# Altium PCB pcb.PcbDoc
Units mil, origin at the board's own origin, x right, y up, seen from the top; angles counter-clockwise.
Board outline 2325 x 3865 mil, 2 copper layers (Top Layer, Bottom Layer); 60 components, 41 nets, 160 pads, 167 vias.
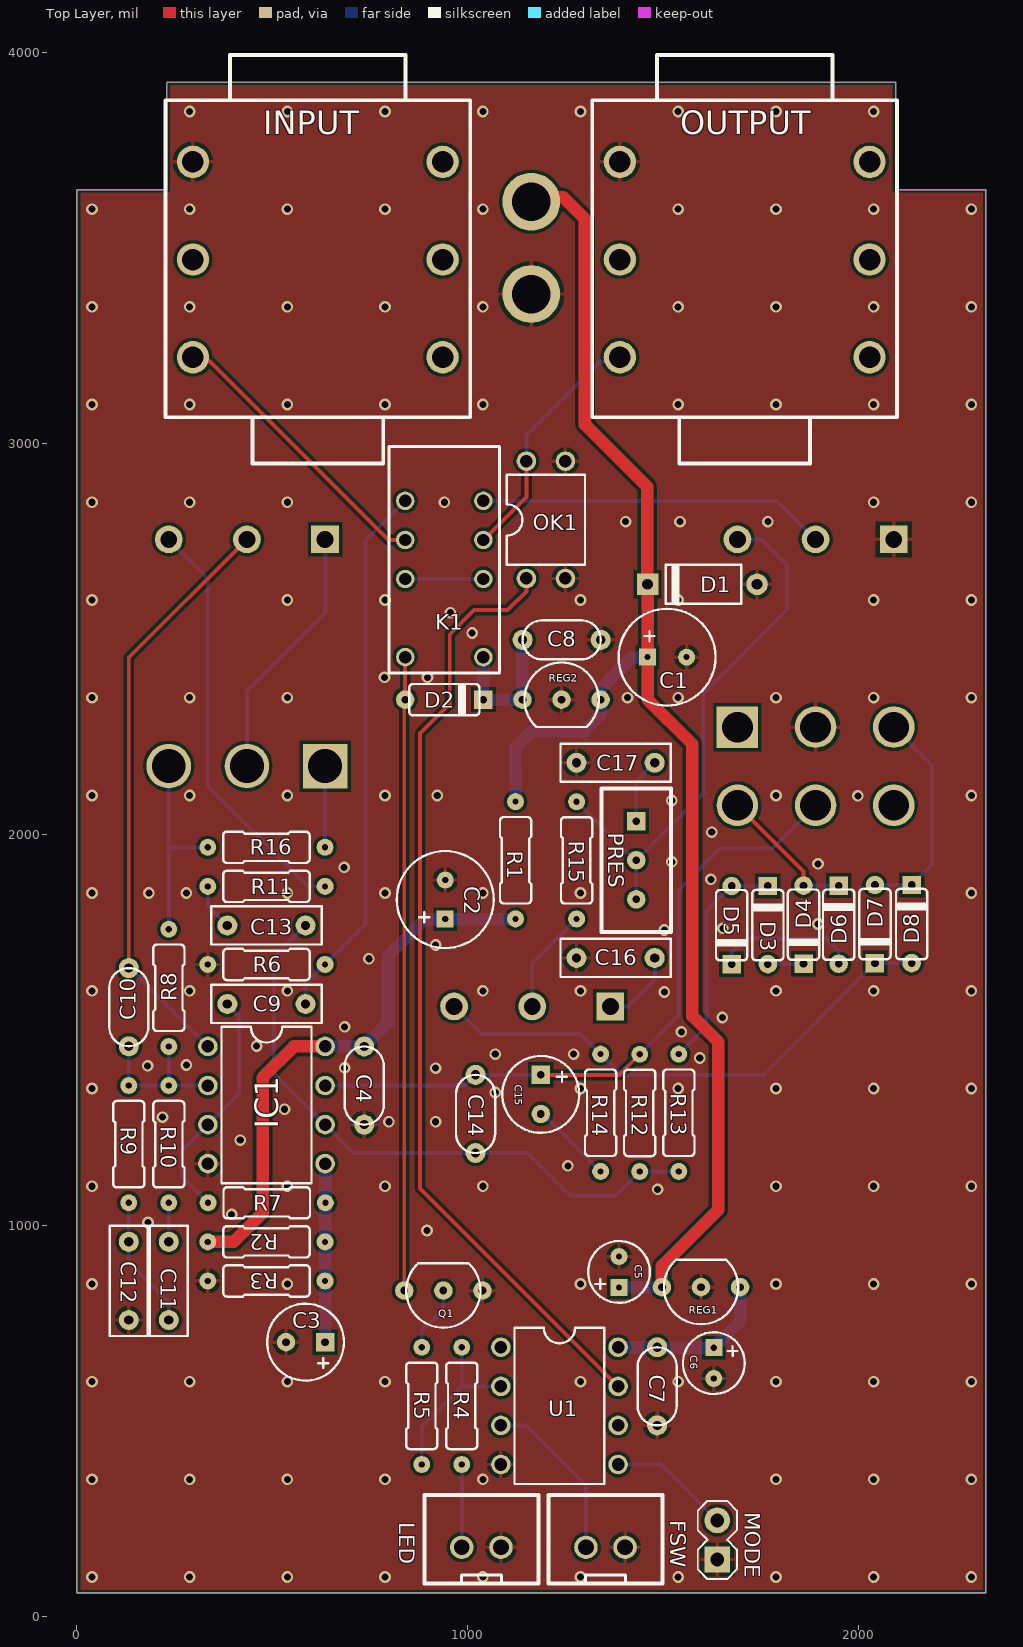
[diagram p0: Top Layer view]
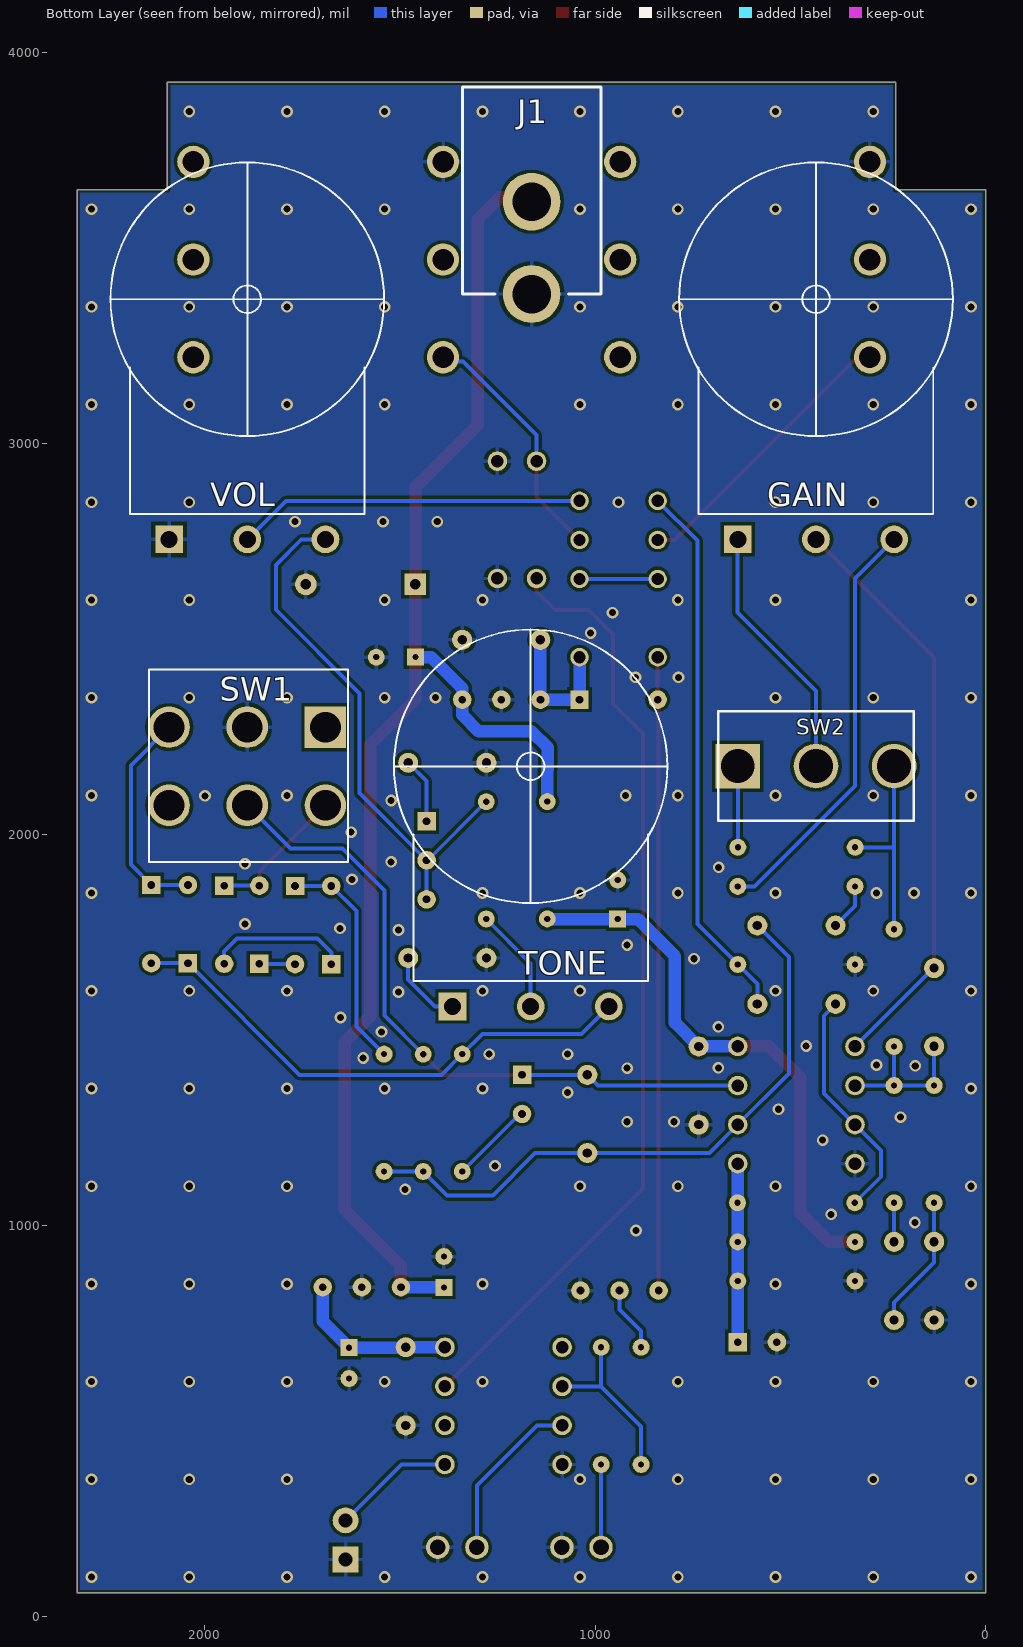
[diagram p1: Bottom Layer view, seen from below]
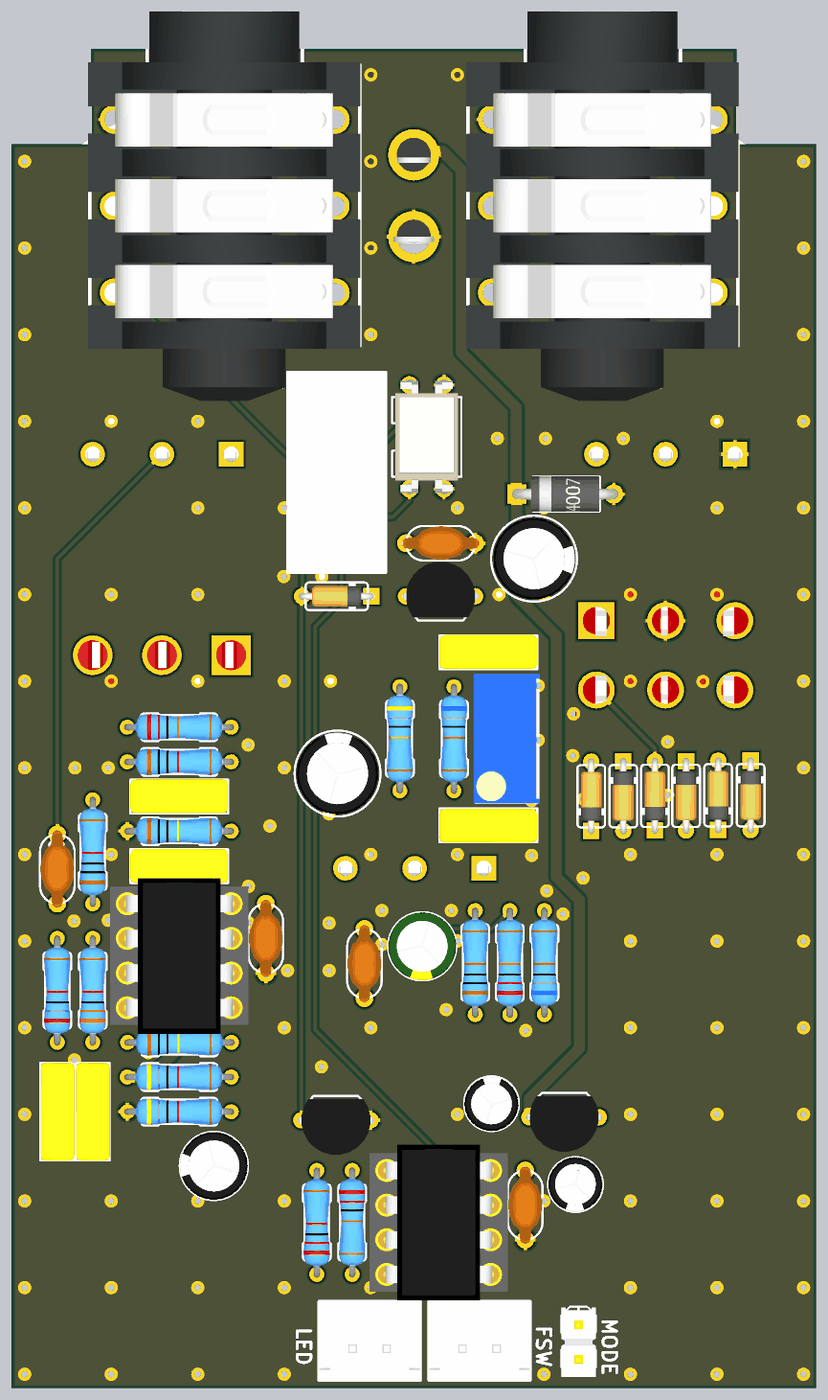
[diagram p2: 3D render of the assembled board from above, using the file's embedded part models]
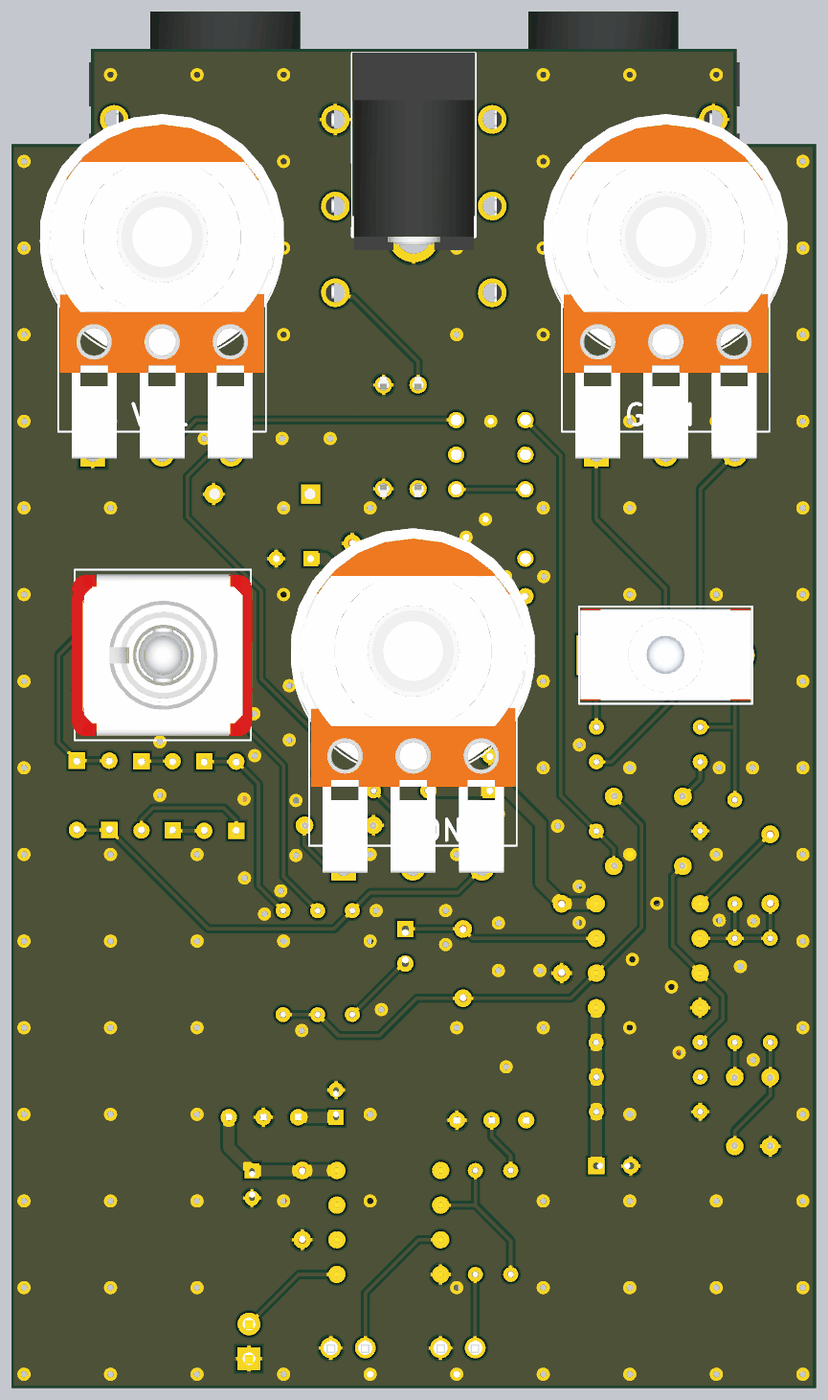
[diagram p3: 3D render of the assembled board from below, using the file's embedded part models]

## Layer stack, top to bottom
Top Solder: solder mask 0.4, Solder Resist, Dk 3.5
Top Layer: signal copper 1.4
Dielectric 1: dielectric 12.6, FR-4, Dk 4.8
Bottom Layer: signal copper 1.4
Bottom Solder: solder mask 0.4, Solder Resist, Dk 3.5

## Board outline
2094.65,3925 2094.65,3650 2325,3650 2325,60 0,60 0,3650 230.3,3650 230.3,3925

## Design rules (kind name [scope] priority, off if disabled: settings)
Clearance [All] p1: gap=8 ignorepadtopadclearanceinfootprint=FALSE except(0: Arc-Text Arc-Hole Track-Text Track-Hole SMDPad-Text SMDPad-Hole THPad-Text THPad-Hole Via-Text Via-Hole Fill-Text Fill-Hole Poly-Text Poly-Hole Region-Text Region-Hole Text-Text Text-Hole; 10: Arc-SMDPad Track-SMDPad SMDPad-SMDPad SMDPad-THPad SMDPad-Via THPad-THPad; 18: Arc-Arc Arc-Track Arc-THPad Track-Track Track-THPad)
ComponentClearance [All] p1 off: gap=10 collisioncheckmode=3 verticalgap=100000 showdistances=FALSE
Height [All] p1: minheight=0 maxheight=99999 prefheight=50000
PolygonConnect [All vs IsVia] p1: connectstyle=Direct reliefconductorwidth=12 reliefentries=4 polygonreliefangle="90 Angle" airgapwidth=8
PolygonConnect PolygonConnect_1 [All] p2: connectstyle=Relief reliefconductorwidth=10 reliefentries=4 polygonreliefangle="90 Angle" airgapwidth=10
RoutingVias [All] p1: holewidth=30 width=30 viastyle="Through Hole" minholewidth=10 minwidth=15 maxholewidth=20 maxwidth=40
SilkToSilkClearance [All] p1: silktosilkclearance=6
SolderMaskExpansion [All] p1: expansion=4
UnRoutedNet [All] p1: checkbadconnections=TRUE
Width [All] p1: maxlimit=32 minlimit=10 preferedwidth=10 minimp=50.000000 maximp=50.000000 favimp=50.000000
26 further rules are at their usual default settings.

## Components (designator, comment, footprint, x,y, rotation, side; value= is the part's Value field where it differs from the comment)
C1 "100u" ELEC_063_025 1510,2453.66 r0 top
C2 "100u" ELEC_063_025 942.38,1833.51 r90 top
C3 "47u" ELEC_050_020 585,701.1 r180 top
C4 "100n" CER_050 735.2,1357.69 r270 top
C5 "10u" ELEC_040_020 1387,880.11 r90 top
C6 "10u" ELEC_040_020 1629.62,648.06 r270 top
C7 "100n" CER_050 1484.62,588.06 r90 top
C8 "100n" CER_050 1240.32,2498 r0 top
C9 "10n" FILMBOX_SMALL 484.99,1566.3 r0 top
C10 "100p" CER_050 132.75,1558.13 r270 top
C11 "10n" FILMBOX_SMALL 235.19,857.7 r270 top
C12 "10n" FILMBOX_SMALL 132.75,857.7 r270 top
C13 "100n" FILMBOX_SMALL 485,1767.22 r0 top
C14 "100p" CER_050 1020,1285.03 r270 top
C15 "4.7u" ELEC_LESR_050_020 1187,1335 r270 top
C16 "10n" FILMBOX_SMALL 1378.25,1684.06 r180 top
C17 "10n" FILMBOX_SMALL 1378.25,2183.51 r0 top
D1 "1N4002" DO41_2 1600.19,2640 r0 top
D2 "1N4148" DO35_2 940,2345 r180 top
D3 "1N4148" DO35_2 1767.88,1768.2 r270 top
D4 "1N4148" DO35_2 1859.17,1769.2 r90 top
D5 "1N4148" DO35_2 1675.19,1768 r90 top
D6 "1N4148" DO35_2 1949.15,1769.2 r270 top
D7 "1N4148" DO35_2 2041.89,1770.77 r90 top
D8 "1N4148" DO35_2 2135.76,1770.77 r270 top
FSW "" JST-XH-02 1352.52,176 r0 top
GAIN "250kB" ALPHA_16mm_BOTTOM 435,2754.37 r180 bottom
IC1 "JRC4580D" DIL8 485.17,1307.69 r270 top
INPUT "" STEREO 616.41,3471 r90 top
J1 "DC_JACK" DC_JACK 1162.5,3802.15 r0 bottom
K1 "" NA5 940,2703.66 r90 top
LED "" JST-XH-02 1035,176 r0 top
MODE "HEADER_2PINS" HEADER_2PINS 1638.47,195 r270 top
OK1 "TLP222G" DIL4 1200,2805 r0 top
OUTPUT "" STEREO 1708.6,3471 r90 top
PRES "50kB" BOURNS_3296W 1431.25,1934.06 r180 top
Q1 "2N3904" TO92 937.62,833.06 r180 top
R1 "47R" R_3_47R_025W 1122.38,1934.05 r270 top
R2 "47k" R_3_47k_025W 485,957.68 r0 top
R3 "47k" R_3_47k_025W 485,857.69 r0 top
R4 "2,2k" R_3_2,2k_025W 984.63,538.06 r270 top
R5 "22k" R_3_22k_025W 882.41,538.06 r90 top
R6 "1M" R_3_1M_025W 485,1667.4 r0 top
R7 "1M" R_3_1M_025W 485.74,1057.66 r0 top
R8 "10k" R_3_10k_025W 235.19,1607.7 r90 top
R9 "27k" R_3_27k_025W 132.75,1207.69 r90 top
R10 "33k" R_3_33k_025W 235.19,1207.69 r90 top
R11 "10k" R_3_10k_025W 485,1867.2 r0 top
R12 "220k" R_3_220k_025W 1440,1287.69 r90 top
R13 "6.8k" R_3_6.8k_025W 1540,1288 r90 top
R14 "1k" R_3_1k_025W 1340,1288 r90 top
R15 "6.8k" R_3_6.8k_025W 1278.54,1933.86 r270 top
R16 "220k" R_3_220k_025W 484.83,1967.2 r0 top
REG1 "LM78L05" TO92 1596.87,841.84 r180 top
REG2 "LM78L05" TO92 1240,2345 r0 top
SW1 "DPDT" DPDT 1890,2174.62 r270 bottom
SW2 "SPDT" SPDT 435,2175 r0 bottom
TONE "25kB" ALPHA_16mm_BOTTOM 1165,1559.37 r180 bottom
U1 "ATTINY85" DIP8 1234.62,538.06 r270 top
VOL "100kA" ALPHA_16mm_BOTTOM 1890,2754.37 r180 bottom

## Footprints (in the part's own frame and the unit in brackets; to place one, negate y for a bottom-side part, rotate by r counter-clockwise, add the part's x,y. Pads: shape width x height; smd on the part's side, far side on the other; paste and mask are expansions set on the pad)
ALPHA_16mm_BOTTOM [mil]
  rect 70.87x70.87 hole 43.31: 1(-200,0.63)
  round 70.87 hole 43.31: 2(0,0.63) 3(200,0.63)
  silkscreen extent -350,66 350,965, body extent -354,-12 445,982, height 1067
BOURNS_3296W [mil]
  rect 47.24x47.24 hole 19.69: 1(0,-100)
  round 47.24 hole 19.69: 2(0,0) 3(0,100)
  silkscreen extent -89,-183 89,183, body extent -95,-188 95,188, height 455
CER_050 [mil]
  round 51.18 hole 23.62: 1(-100,0) 2(100,0)
  silkscreen extent -100,-50 100,50, body extent -117,-49 110,66, height 196
DC_JACK [mil]
  round 147.65 hole 98.43: GND(0,183.15) PWR(0,419.37)
  silkscreen extent -177,-110 177,419, body extent -350,-112 177,458, height 433
DIL4 [mil]
  round 50 hole 32: 1(-50,-150) 2(50,-150) 3(50,150) 4(-50,150)
  silkscreen extent -100,-115 100,115, body extent -90,-173 90,173, height 174
DIL8 [mil]
  round 50 hole 32: 1(-150,-150) 2(-50,-150) 3(50,-150) 4(150,-150) 5(150,150) 6(50,150) 7(-50,150) 8(-150,150)
  silkscreen extent -200,-115 200,115, body extent -225,-200 225,200, height 335
DIP8 [mil]
  round 50 hole 32: 1(-150,-150) 2(-50,-150) 3(50,-150) 4(150,-150) 5(150,150) 6(50,150) 7(-50,150) 8(-150,150)
  silkscreen extent -200,-115 200,115, body extent -225,-200 225,200, height 335
DO35_2 [mil]
  round 47.24 hole 19.69: A(100,0)
  rect 47.24x47.24 hole 19.69: C(-100,0)
  silkscreen extent -90,-40 90,40, body extent -108,-30 108,30, height 60
DO41_2 [mil]
  round 55.12 hole 27.56: A(140,0)
  rect 55.12x55.12 hole 27.56: C(-140,0)
  silkscreen extent -94,-50 100,50, body extent -154,-52 154,52, height 112
DPDT [mm]
  rect 2.7x2.7 hole 2: A1(-2.54,5.08)
  round 2.7 hole 2: A2(-2.54,0) A3(-2.54,-5.08) B1(2.54,5.08) B2(2.54,0) B3(2.54,-5.08)
  silkscreen extent -6.28,-6.4 6.22,6.54, body extent -5.93,-6.59 9.4,6.64, height 32.33
ELEC_040_020 [mil]
  rect 43.31x43.31 hole 15.75: +(-38.8,0)
  round 43.31 hole 15.75: -(40,0)
  silkscreen extent -78,-79 80,79, body extent -79,-79 79,79, height 277
ELEC_050_020 [mil]
  rect 47.24x47.24 hole 19.69: +(-50,0)
  round 47.24 hole 19.69: -(50,0)
  silkscreen extent -98,-98 98,98, body extent -98,-98 98,98, height 277
ELEC_063_025 [mil]
  rect 43.31x43.31 hole 15.75: +(-50,0)
  round 43.31 hole 15.75: -(50,0)
  silkscreen extent -124,-124 124,124, body extent -118,-118 118,118, height 314
ELEC_LESR_050_020 [mil]
  rect 47.24x47.24 hole 19.69: +(-50,0)
  round 47.24 hole 19.69: -(50,0)
  silkscreen extent -98,-98 98,98, body extent -98,-98 98,100, height 434
FILMBOX_SMALL [mil]
  round 51.18 hole 23.62: 1(-100,0) 2(100,0)
  silkscreen extent -141,-49 141,49, body extent -142,-48 142,50, height 256
HEADER_2PINS [mil]
  rect 66x66 hole 35.43: 1(50,0)
  round 66 hole 35.43: 2(-50,0)
  silkscreen extent -100,-50 100,50, body extent -102,-50 102,50, height 330
JST-XH-02 [mil]
  round 60 hole 40: 1(-50,0) 2(50,0)
  silkscreen extent -146,-93 146,134, body extent -146,-95 146,131, height 276
NA5 [mil]
  round 47.25 hole 31.5: 1(-250,-100) 3(-50,-100) 4(50,-100) 5(150,-100) 8(150,100) 9(50,100) 10(-50,100) 12(-250,100)
  silkscreen extent -290,-142 289,142, body extent -291,-144 291,144, height 362
R_3_1k_025W [mil]
  round 43.31 hole 15.75: 1(-150,0) 2(150,0)
  silkscreen extent -111,-40 111,40, body extent -160,-38 160,38, height 83
R_3_1M_025W [mil]
  round 43.31 hole 15.75: 1(-150,0) 2(150,0)
  silkscreen extent -111,-40 111,40, body extent -160,-38 160,38, height 83
R_3_2,2k_025W [mil]
  round 43.31 hole 15.75: 1(-150,0) 2(150,0)
  silkscreen extent -111,-40 111,40, body extent -160,-38 160,38, height 83
R_3_6.8k_025W [mil]
  round 43.31 hole 15.75: 1(-150,0) 2(150,0)
  silkscreen extent -111,-40 111,40, body extent -160,-38 160,38, height 83
R_3_10k_025W [mil]
  round 43.31 hole 15.75: 1(-150,0) 2(150,0)
  silkscreen extent -111,-40 111,40, body extent -160,-38 160,38, height 83
R_3_22k_025W [mil]
  round 43.31 hole 15.75: 1(-150,0) 2(150,0)
  silkscreen extent -111,-40 111,40, body extent -160,-38 160,38, height 83
R_3_27k_025W [mil]
  round 43.31 hole 15.75: 1(-150,0) 2(150,0)
  silkscreen extent -111,-40 111,40, body extent -160,-38 160,38, height 83
R_3_33k_025W [mil]
  round 43.31 hole 15.75: 1(-150,0) 2(150,0)
  silkscreen extent -111,-40 111,40, body extent -160,-38 160,38, height 83
R_3_47k_025W [mil]
  round 43.31 hole 15.75: 1(-150,0) 2(150,0)
  silkscreen extent -111,-40 111,40, body extent -160,-38 160,38, height 83
R_3_47R_025W [mil]
  round 43.31 hole 15.75: 1(-150,0) 2(150,0)
  silkscreen extent -111,-40 111,40, body extent -160,-38 160,38, height 83
R_3_220k_025W [mil]
  round 43.31 hole 15.75: 1(-150,0) 2(150,0)
  silkscreen extent -111,-40 111,40, body extent -160,-38 160,38, height 83
SPDT [mil]
  rect 114.17x114.17 hole 86.61: 1(200,0)
  round 114.17 hole 86.61: 2(0,0) 3(-200,0)
  silkscreen extent -250,-140 250,140, body extent -246,-145 246,131, height 1113
STEREO [mil]
  round 82.68 hole 55.12: R(0,319.49) RN(0,-319.49) S(250,319.49) SN(250,-319.49) T(-250,319.49) TN(-250,-319.49)
  silkscreen extent -522,-390 524,390, body extent -562,-392 562,395, height 610
TO92 [mil]
  round 47.24 hole 19.69: 1(100,0) 2(0,0) 3(-100,0)
  silkscreen extent -95,-70 95,95, body extent -109,-61 109,100, height 255

## Part data
C1 C2: library part ELEC_100u_25V, "100u 25V electrolytic capacitor", Package=Radial, Dimensions=6.3x8mm, PinSpacing=2.54mm, Price=0.02
C3: library part ELEC_47u_25V, "47u 25V electrolytic capacitor", Package=Radial, Dimensions=5x8mm, PinSpacing=2mm, Price=0.02
C4 C7 C8: library part CER_100n, "100n MLCC X7R radial capacitor", Package=Radial, PinSpacing=5.08mm, Price=0.02
C5 C6: library part ELEC_10u_50V, "10u 50V electrolytic capacitor", Package=Radial, Dimensions=4x8mm, PinSpacing=2mm, Price=0.02
C9 C11 C12 C16 C17: library part FILMBOX_10n, "10n 100V polyester film box capacitor", Package=Radial, Dimensions=7.2x2.5x6.5mm, PinSpacing=5.08mm, Price=0.05
C10 C14: library part CER_100p, "100p MLCC X7R radial capacitor", Package=Radial, PinSpacing=5.08mm, Price=0.01
C13: library part FILMBOX_100n, "100n 100V polyester film box capacitor", Package=Radial, Dimensions=7.2x2.5x6.5mm, PinSpacing=5.08mm, Price=0.05
C15: library part ELEC_LESR_4.7u_50V, "4.7u 50V Low ESR ectrolytic capacitor", Package=Radial, Dimensions=5x11mm, PinSpacing=2mm, Price=0.05
D1: Package=DO-41, PinSpacing=7.62mm, Price=0.01
D2 D3 D4 D5 D6 D7 D8: Package=DO-35, PinSpacing=5.08mm, Price=0.01
FSW LED: library part JST-XH-02, "2 Pins male XH header", Price=0.1
GAIN: library part 250kB_ALPHA_16mm, "250k Lin potentiometer round shaft", Package="PCB Mounted", Dimensions=16mm, Price=0.5
IC1: Package=DIP-8, Price=0.5
INPUT OUTPUT: library part STEREO, "6.35mm stereo insulated socket jack PCB mounted", Price=0.5
J1: "DC Power jack 2.1mm barrel", Price=0.05
K1: library part NA5W-K, "NA5W-K", Price=1.1
MODE: "2 Pins male header", Pin spacing=2.54mm, Price=0.01
PRES: library part 50kB_TRIM_3296W, "50k Lin 3296W trimmer", Price=0.1
Q1: Package=TO-92, Price=0.01
R1: library part R_3_47R_025W, "47R metal film 1/4W Resistor", PinSpacing=7.62mm, Price=0.01
R2 R3: library part R_3_47k_025W, "47k metal film 1/4W Resistor", PinSpacing=7.62mm, Price=0.01
R4: library part R_3_2,2k_025W
R5: library part R_3_22k_025W, "22k metal film 1/4W Resistor", PinSpacing=7.62mm, Price=0.01
R6 R7: library part R_3_1M_025W, "1M metal film 1/4W Resistor", PinSpacing=7.62mm, Price=0.01
R8 R11: library part R_3_10k_025W, "10k metal film 1/4W Resistor", PinSpacing=7.62mm, Price=0.01
R9: library part R_3_27k_025W, "27k metal film 1/4W Resistor", PinSpacing=7.62mm, Price=0.01
R10: library part R_3_33k_025W, "33k metal film 1/4W Resistor", PinSpacing=7.62mm, Price=0.01
R12 R16: library part R_3_220k_025W, "220k metal film 1/4W Resistor", PinSpacing=7.62mm, Price=0.01
R13 R15: library part R_3_6.8k_025W, "6.8k metal film 1/4W Resistor", PinSpacing=7.62mm, Price=0.01
R14: library part R_3_1k_025W, "1k metal film 1/4W Resistor", PinSpacing=7.62mm, Price=0.01
REG1 REG2: "78L05", Package=TO-92, Price=0.01
SW1: library part DPDT_ON-OFF-ON, "DPDT toggle switch ON/OFF/ON", Price=0.5
SW2: library part SPDT_ON-ON, "SPDT toggle switch ON/ON", Price=0.5
TONE: library part 25kB_ALPHA_16mm, "25k Lin potentiometer round shaft", Package="PCB Mounted", Dimensions=16mm, Price=0.5
U1: "ATTINY85-20PU", Package=DIP-8, Price=1.2
VOL: library part 100kA_ALPHA_16mm, "100k Log potentiometer round shaft", Package="PCB Mounted", Dimensions=16mm, Price=0.5
OK1: Price=0.36

## Via types
v1: diameter 30, hole 18, Top Layer to Bottom Layer, 167 vias

## Nets (pads, with @x,y where several pads share a name; then routed paths per layer and width w, separated by ;. In a path a pad name is that pad's centre, name@x,y a point inside that pad or via, vN(x,y) a via of type N, cw(c..) or ccw(c..) an arc to the next point about the centre after c; other vN are vias at no path point)
+5V: C6.+ C7.2 REG1.3 U1.8 | length 428.3
  Bottom Layer w32: U1.8 C7.2 1485.82,686.86 C6.+ 1696.87,754.11 REG1.3
+9V: C1.+ C5.+ D1.C J1.GND R1.1 REG1.1 REG2.1 | length 3817.9
  Top Layer w32: J1.GND@1162.5,3630 1244.72,3630 1300,3574.72 1300,3048.87 1458.87,2890 1458.87,2641.32 D1.C 1460.19,2453.85 C1.+ 1460,2345.85 1575,2230.85 1575,1535 1641,1469 1641,1040.16 1496.87,896.02 REG1.1
  Bottom Layer w32: R1.1 1122.68,2084.36 1122.68,2165 1121.17,2166.51 1121.17,2222.17 1163,2264 1297.98,2264 1340,2306.02 REG2.1 1340,2374 1419.66,2453.66 C1.+ ; C5.+ 1496.34,841.31 REG1.1
GND: C1.- C2.- C3.- C4.2 C5.- C6.- C7.1 C8.2 C12.2 C16.2 C17.1 D1.A FSW.2 IC1.4 INPUT.S J1.PWR LED.2 MODE.1 OK1.2 OK1.3 OUTPUT.S Q1.3 R3.1 R6.1 REG1.2 REG2.2 SW1.A2 U1.4 VOL.1
  other v1: 38.5,100 288.5,100 538.5,100 788.5,100 1038.5,100 1288.5,100 1538.5,100 1788.5,100 2038.5,100 2288.5,100 38.5,350 288.5,350 538.5,350 788.5,350 1038.5,350 1788.5,350 2038.5,350 2288.5,350 38.5,600 288.5,600 538.5,600 788.5,600 1288.5,600 1538.5,600 1788.5,600 2038.5,600 2288.5,600 38.5,850 538.5,850 1288.5,850 1788.5,850 2038.5,850 2288.5,850 895.67,987 182,1007 396,1028 1486,1092 38.5,1100 538.5,1100 788.5,1100 1038.5,1100 1788.5,1100 2038.5,1100 2288.5,1100 1256,1152.3 418,1217.75 798,1265 918,1265 219,1276.75 531,1297 1070.37,1340 38.5,1350 1288.5,1350 1538.5,1350 1788.5,1350 2038.5,1350 2288.5,1350 918,1402 685,1403 181,1408 280,1410 1593.63,1428 1070.37,1438 1271,1438 460,1459 1546.57,1495 685,1508 1651.44,1532 1503,1597.17 38.5,1600 288.5,1600 538.5,1600 1038.5,1600 1288.5,1600 1788.5,1600 2038.5,1600 2288.5,1600 747,1682 918,1717 1503,1755.67 1652.64,1760 1896,1771 38.5,1850 184,1850 280,1850 538.5,1850 788.5,1850 1038.5,1850 1288.5,1850 2288.5,1850 1622,1885.14 684,1916 1896,1925 1522,1930 1624.32,2006 1522,2087 1998,2099 38.5,2100 288.5,2100 538.5,2100 788.5,2100 922,2100 1788.5,2100 2288.5,2100 38.5,2350 288.5,2350 538.5,2350 1408.7,2350 1538.5,2350 1788.5,2350 2038.5,2350 2288.5,2350 787,2402 897,2402 1011.33,2515.64 955.33,2567.38 38.5,2600 538.5,2600 788.5,2600 1288.5,2600 1538.5,2600 2038.5,2600 2288.5,2600 1404,2800.43 1543,2800.43 1767.68,2800.43 38.5,2850 288.5,2850 538.5,2850 940,2850 2038.5,2850 2288.5,2850 38.5,3100 288.5,3100 538.5,3100 788.5,3100 1038.5,3100 1538.5,3100 1788.5,3100 2038.5,3100 2288.5,3100 38.5,3350 288.5,3350 538.5,3350 788.5,3350 1038.5,3350 1538.5,3350 1788.5,3350 2038.5,3350 2288.5,3350 38.5,3600 288.5,3600 538.5,3600 788.5,3600 1038.5,3600 1538.5,3600 1788.5,3600 2038.5,3600 2288.5,3600 288.5,3850 538.5,3850 788.5,3850 1038.5,3850 1288.5,3850 1538.5,3850 1788.5,3850 2038.5,3850
INPUT: INPUT.T K1.9 | length 738
  Top Layer w10: INPUT.T@291.02,3210 340.79,3210 797.12,2753.66 K1.9
NetC8_1: C8.1 D2.C K1.1 REG2.3 | length 361.8
  Bottom Layer w32: K1.1 D2.C REG2.3 1140,2497.68 C8.1
NetC9_1: C9.1 IC1.3 R7.1 | length 609.1
  Bottom Layer w10: R7.1 269.07,1124.33 269.07,1191.59 IC1.3 415,1337.52 415,1536.29 C9.1
NetC10_1: C10.1 GAIN.2 IC1.1 | length 1507.5
  Top Layer w10: C10.1 132.75,2452.75 GAIN.2
  Bottom Layer w10: C10.1 134.73,1658.13 IC1.1
NetC10_2: C10.2 IC1.2 R8.1 R9.2 R10.2 | length 402.9
  Bottom Layer w10: C10.2 R9.2 R10.2 ; R8.1 R10.2 ; IC1.2 R10.2
NetC11_1: C11.1 R10.1 | length 100
  Bottom Layer w10: C11.1 R10.1
NetC11_2: C11.2 C12.1 R9.1 | length 342.4
  Bottom Layer w10: R9.1 C12.1 132.75,905 235.19,802.56 C11.2
NetC13_1: C13.1 R11.1 | length 120.7
  Bottom Layer w10: R11.1 335,1817.22 C13.1
NetC13_2: C13.2 C14.2 IC1.6 R12.1 R13.1 | length 1602.4
  Bottom Layer w10: C13.2 504.19,1686.41 504.19,1388.66 IC1.6 707.86,1185 732.8,1185 ; 732.83,1185.03 C14.2 1153.6,1185.03 1261.88,1076.75 1379.06,1076.75 R12.1 1539.69,1137.69 R13.1
NetC14_1: C14.1 C15.+ IC1.7 R12.2 SW1.B2 | length 1739.5
  Top Layer w10: C15.+ 1387.31,1385 R12.2
  Bottom Layer w10: IC1.7 992.66,1357.69 C14.1 C15.+ ; R12.2 1538.85,1536.54 1538.85,1856.9 1645.95,1964 1779.38,1964 SW1.B2
NetC15_-: C15.- R14.1 | length 213.9
  Bottom Layer w10: C15.- 1193,1285 R14.1
NetC16_1: C16.1 TONE.1 | length 198.7
  Bottom Layer w10: TONE.1 1410,1560 1479,1629 1479,1683.31 C16.1 C16.1@1478.25,1683.25
NetC17_2: C17.2 PRES.1 | length 168.9
  Bottom Layer w10: PRES.1 1431.25,2136.51 C17.2
NetD2_A: D2.A K1.12 Q1.1 | length 1621.6
  Top Layer w10: Q1.1 837.62,2342.62 D2.A K1.12
NetD3_A: D3.A D4.C | length 91.7
  Bottom Layer w10: D3.A 1858.17,1668.2 D4.C
NetD3_C: D3.C D5.A R13.2 | length 578.9
  Bottom Layer w10: R13.2 1540.31,1438 1611.07,1508.76 1611.07,1803.88 D5.A 1767.68,1868 D3.C
NetD4_A: D4.A D6.C SW1.B1 | length 365.5
  Top Layer w10: SW1.B1 1859.17,1905.45 D4.A
  Bottom Layer w10: D4.A D6.C
NetD5_C: D5.C D6.A | length 364.9
  Bottom Layer w10: D5.C 1675,1668.19 1675,1698.39 1710.61,1734 1916.24,1734 1949.15,1701.09 D6.A
NetD7_A: D7.A D8.C SW1.A3 | length 560.1
  Bottom Layer w10: D7.A D8.C 2188,1923 2188,2176.62 SW1.A3 ; SW1.A3@2090,2287.51 SW1.A3@2090,2287.62
NetD7_C: D7.C D8.A R14.2 TONE.3 | length 1361.6
  Bottom Layer w10: TONE.3 1035,1490 1288,1490 R14.2 1392.97,1385.03 1756.15,1385.03 D7.C D8.A
NetGAIN_1: GAIN.1 SW2.2 | length 663.5
  Bottom Layer w10: SW2.2 435,2367 635.74,2567.74 635.74,2754.26 GAIN.1
NetGAIN_3: GAIN.3 R11.2 | length 1078.7
  Bottom Layer w10: GAIN.3 334.83,2655.17 334.83,2124.38 592,1867.2 R11.2
NetK1_3: K1.3 K1.10 | length 200
  Bottom Layer w10: K1.10 K1.3
NetLED_1: LED.1 R4.2 | length 212.2
  Bottom Layer w10: R4.2 985,387.69 LED.1
NetPRES_2: PRES.2 PRES.3 R15.1 VOL.3 | length 1384.4
  Bottom Layer w10: R15.1 1428.34,1934.06 PRES.2 ; PRES.3 PRES.2 ; VOL.3 1752,2755 1817,2690 1817,2575 1603,2361 1603,2105.81 PRES.2
NetQ1_2: Q1.2 R5.2 | length 167.9
  Bottom Layer w10: R5.2 882.41,729.79 937.62,785 Q1.2
NetR8_2: R8.2 R16.1 SW2.3 | length 517.3
  Bottom Layer w10: SW2.3 235,1967.44 235.19,1967.25 ; SW2.3@235,2177 SW2.3@235.19,2176.81 ; R8.2 235.19,1967.25 ; R16.1 235.24,1967.2 235.19,1967.25
NetR15_2: R15.2 TONE.2 | length 270.9
  Bottom Layer w10: TONE.2 1165,1670.32 R15.2
NetR16_2: R16.2 SW2.1 | length 208.1
  Bottom Layer w10: R16.2 635,1967.37 SW2.1 ; SW2.1@634.83,2176.83 SW2.1@635,2177
OUTPUT: K1.4 OK1.4 OUTPUT.T | length 637.1
  Top Layer w10: K1.4 1150,2863.66 OK1.4
  Bottom Layer w10: OK1.4 1150,3021.72 1338.28,3210 OUTPUT.T@1395.51,3210
PB0: MODE.2 U1.5 | length 313.1
  Bottom Layer w10: U1.5 1495.41,388.06 MODE.2
PB2: OK1.1 U1.7 | length 2440.5
  Top Layer w10: OK1.1 1150,2622 1102,2574 1016.25,2574 954,2511.75 954,2336 955,2335 878,2258 878,1094.68 U1.7
PB3: R4.1 R5.1 U1.2 | length 442.3
  Bottom Layer w10: R5.1 882.41,485.58 984.9,588.06 ; R4.1 984.63,588.33 984.9,588.06 ; U1.2 984.9,588.06
PB4: FSW.1 U1.3 | length 439.8
  Bottom Layer w10: U1.3 1148.59,488.06 1302.52,334.13 FSW.1
RETURN: K1.5 VOL.2 | length 890.9
  Bottom Layer w10: K1.5 1791.34,2853.66 VOL.2
SEND: C9.2 K1.8 R6.2 | length 1393
  Bottom Layer w10: C9.2 584.99,1617.39 R6.2 738.34,1770.74 738.34,2752 K1.8
Vb: C3.+ IC1.5 R2.2 R3.2 R7.2 | length 456.3
  Bottom Layer w32: C3.+ R3.2 R2.2 635,1056.92 R7.2 IC1.5@635.74,1157.12
Vr: C2.+ C4.1 IC1.8 R1.2 R2.1 | length 1432.2
  Top Layer w32: R2.1 400.92,957.68 475,1031.76 475,1377.74 554.95,1457.69 IC1.8
  Bottom Layer w32: IC1.8 C4.1 796,1518.49 796,1688.9 890.61,1783.51 C2.+ 1121.84,1783.51 R1.2
pads on no net: INPUT.R INPUT.RN INPUT.SN INPUT.TN OUTPUT.R OUTPUT.RN OUTPUT.SN OUTPUT.TN SW1.A1 SW1.B3 U1.1 U1.6

## Polygon pours and split planes (outlines as drawn)
GND on Top Layer "GND_L01_P010" (solid, pour order 10): 0,60 2325,60 2325,3650 2094.65,3650 2094.65,3925 230.3,3925 230.3,3650 0,3650
GND on Bottom Layer "GND_L02_P008" (solid, pour order 8): 0,60 2325,60 2325,3645 2330,3650 2094.65,3650 2094.65,3925 230.3,3925 230.3,3650 0,3650

## Keep-outs
Keep-Out Layer:
  lines w1: 0,3650 230.3,3650 230.3,3925 2094.7,3925 2094.7,3650 2325,3650 ; 1,3650 1,59 587.25,59 1749.75,59 2326,59 2326,3650